# KiCad board woodpecker.kicad_pcb (continued)
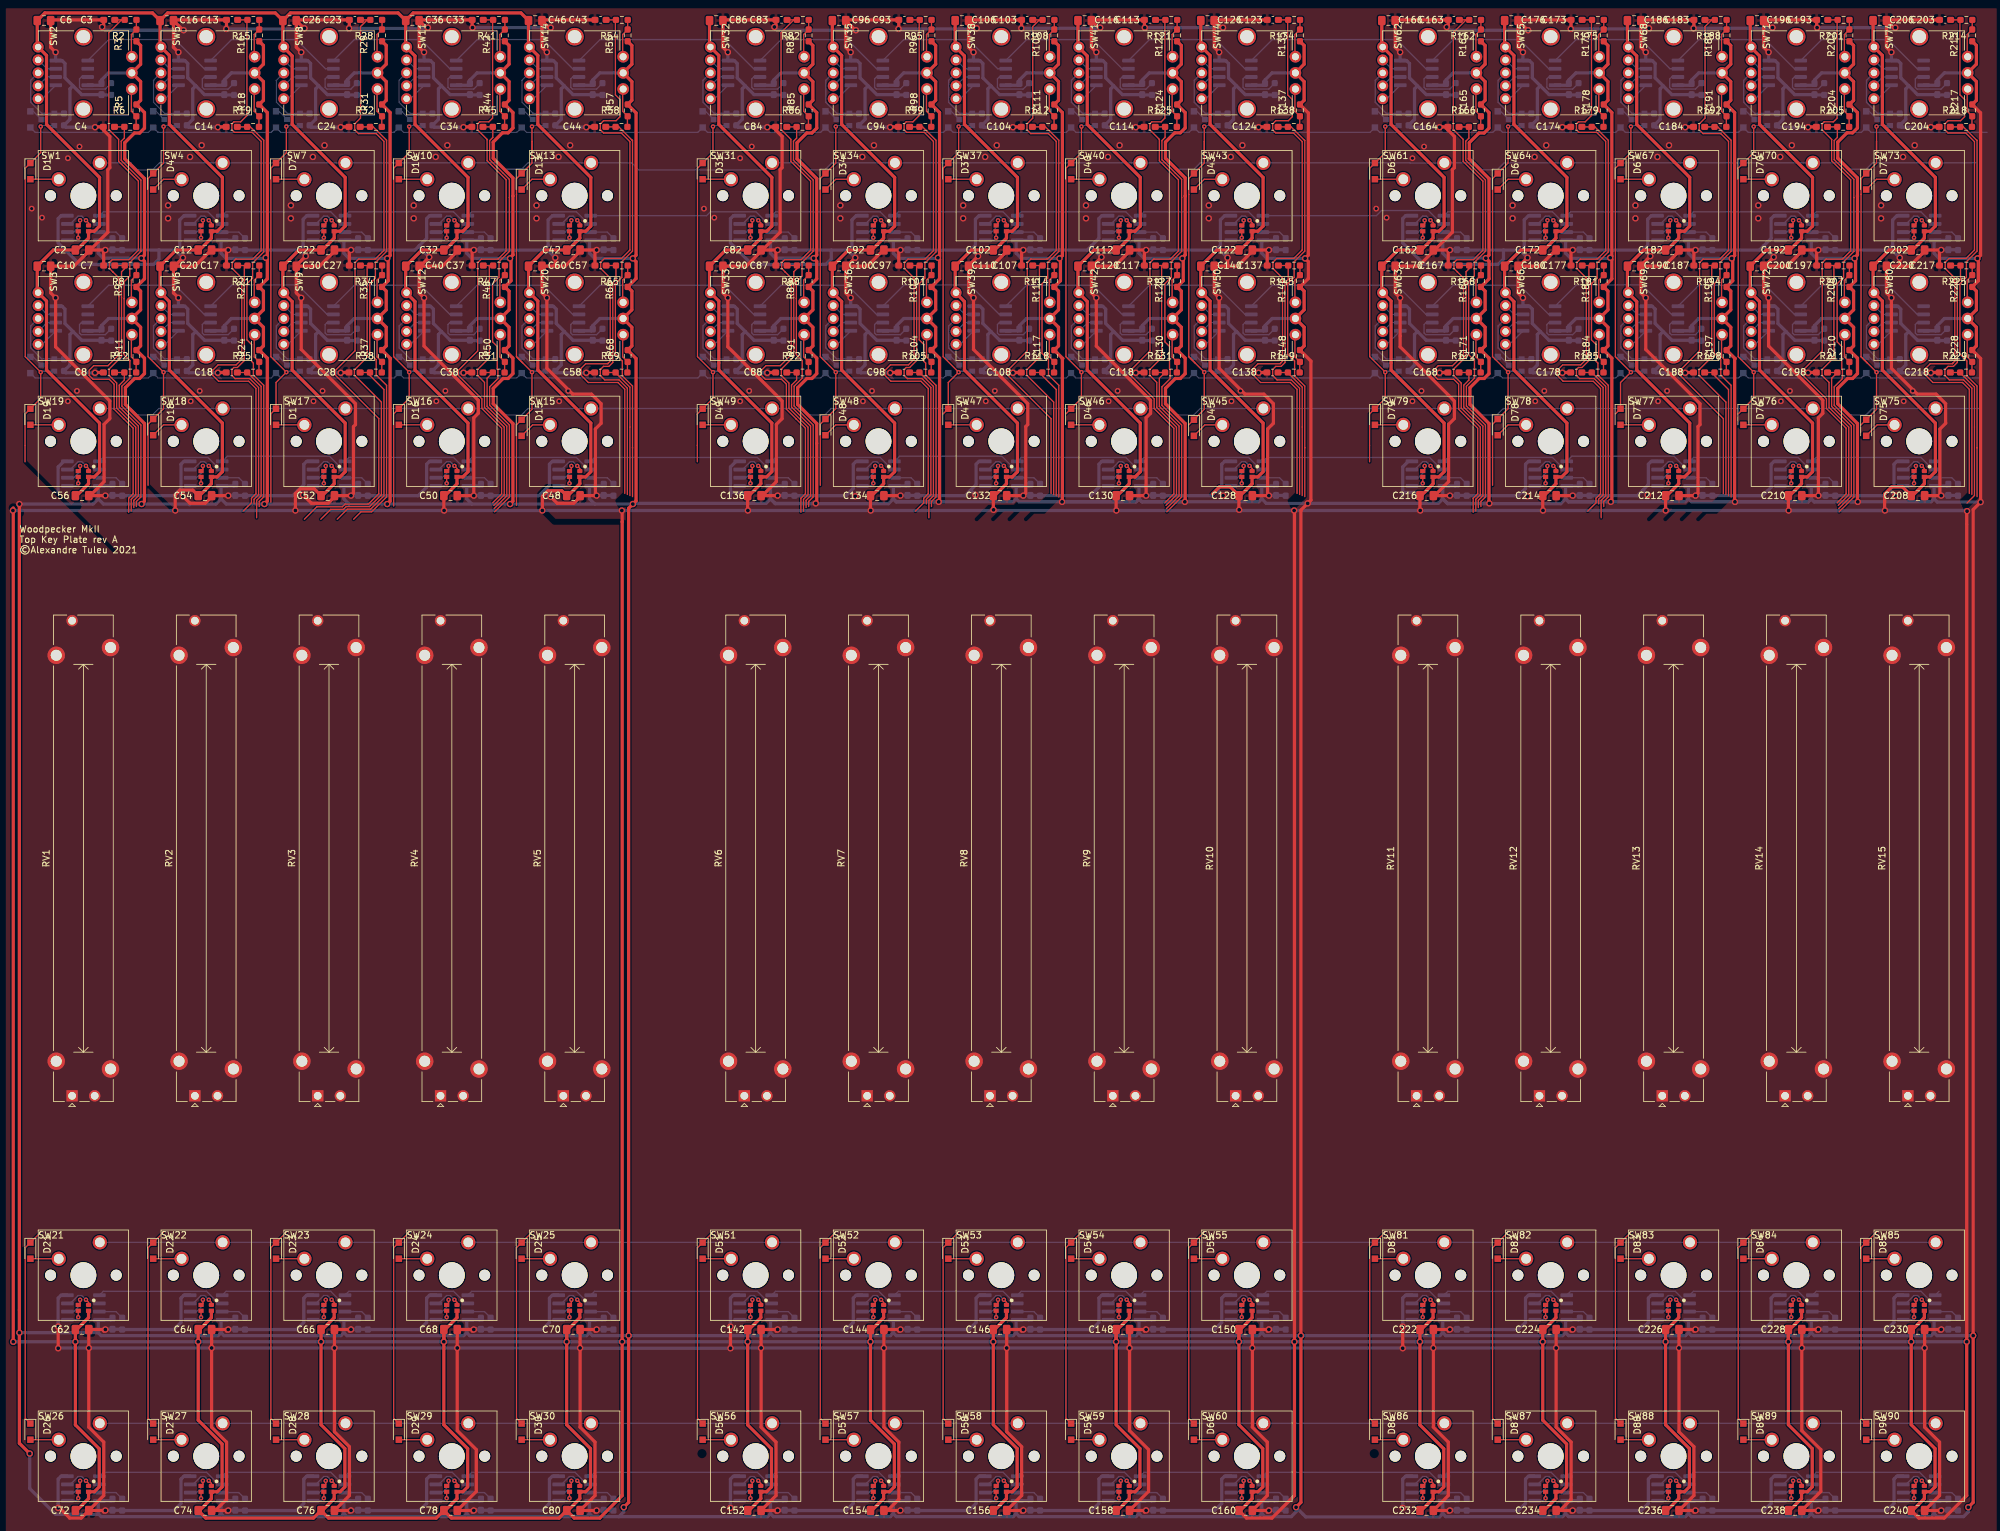
[diagram p0: board, top side]
## Routing (per net, layer and track width the routed paths; a pad name or vN(x,y) marks a point on that pad's centre or on a via; arc(x,y) is an arc through that point) (continued)
/TopSection_2/QB9: length 42.3
  Top w0.2: C117.1 R127.2 175.1,192.6 175,192.5 175,178.34 173.17,176.51 173.17,175.59 174.25,174.51 174.25,170.64 177.3,167.59 177.3,157.12 175.68,155.5
/TopSection_2/QB10: length 41.5
  Top w0.2: C137.1 R145.2 194.59,190.43 194.1,189.94 194.1,177.6 193.5,177 192.66,177 192.17,176.51 192.17,175.59 192.86,174.9 195.07,174.9 196.35,173.62 196.35,157.18
/TopSection_3/DI1: length 31.2
  Bottom w0.2: 216.88,223.03 215.9,223.03 211.38,227.55 192.12,227.55 188.88,224.31
/TopSection_3/DI2: length 29.2
  Bottom w0.2: U43.5 208.22,200.31 209.01,201.1 216.27,201.1 218.33,199.03 U61.6
/TopSection_3/DI3: length 31.2
  Bottom w0.2: 216.88,185.04 215.9,185.04 211.38,189.55 192.12,189.55 188.88,186.31
/TopSection_3/DI4: length 29
  Bottom w0.2: U45.5 191.28,162.91 216.46,162.91 218.33,161.04 U79.6
/TopSection_3/MX_2/DI: length 20
  Bottom w0.2: U61.5 219.28,200.91 235.46,200.91 237.33,199.03 U64.6
/TopSection_3/MX_3/DI: length 20
  Bottom w0.2: U64.5 238.28,200.91 254.46,200.91 256.33,199.03 U67.6
/TopSection_3/MX_4/DI: length 20
  Bottom w0.2: U67.5 257.28,200.91 273.46,200.91 275.33,199.03 U70.6
/TopSection_3/MX_5/DI: length 20
  Bottom w0.2: U70.5 276.28,200.91 292.46,200.91 294.33,199.03 U73.6
/TopSection_3/MX_7/DI: length 20
  Bottom w0.2: U79.5 219.28,162.91 235.46,162.91 237.33,161.04 U78.6
/TopSection_3/MX_8/DI: length 20.2
  Bottom w0.2: U77.6 256.33,161.04 254.27,163.1 238.47,163.1 U78.5
/TopSection_3/MX_9/DI: length 20
  Bottom w0.2: U77.5 257.28,162.91 273.46,162.91 275.33,161.04 U76.6
/TopSection_3/MX_10/DI: length 20
  Bottom w0.2: U76.5 276.28,162.91 292.46,162.91 294.33,161.04 U75.6
/TopSection_3/PEL12T_2/DI: length 22.2
  Bottom w0.2: 216.88,224.31 220.12,227.55 230.38,227.55 234.9,223.03 U65.6
/TopSection_3/PEL12T_3/DI: length 22.2
  Bottom w0.2: U65.5 239.12,227.55 249.13,227.55 253.65,223.03 U68.6
/TopSection_3/PEL12T_4/DI: length 22.2
  Bottom w0.2: U68.5 258.12,227.55 268.38,227.55 272.9,223.03 U71.6
/TopSection_3/PEL12T_5/DI: length 22.2
  Bottom w0.2: U71.5 277.12,227.55 287.38,227.55 291.9,223.03 U74.6
/TopSection_3/PEL12T_7/DI: length 22.2
  Bottom w0.2: 216.88,186.31 220.12,189.55 230.38,189.55 234.9,185.04 U66.6
/TopSection_3/PEL12T_8/DI: length 22.3
  Bottom w0.2: U66.5 239.17,189.6 249.33,189.6 253.9,185.04 U69.6
/TopSection_3/PEL12T_9/DI: length 22.2
  Bottom w0.2: U69.5 258.12,189.55 268.38,189.55 272.9,185.04 U72.6
/TopSection_3/PEL12T_10/DI: length 22.2
  Bottom w0.2: U72.5 277.12,189.55 287.38,189.55 291.9,185.04 U80.6
/TopSection_3/QA1: length 65.2
  Top w0.2: C164.1 R166.1 222.54,212.32 222.05,211.83 222.05,208.87 225.1,205.82 225.1,194.8 223.38,193.08 223.38,190.98 222.5,190.1 222.5,187.48 222.5,178.8 223.4,177.9 223.4,175.18 222.15,173.93 222.15,170.87 225.1,167.92 225.1,156.8 224.4,156.1 224.4,155.32
/TopSection_3/QA2: length 64
  Top w0.2: C174.1 R179.1 242.02,214.05 244.1,211.98 244.1,194.7 242.38,192.98 242.38,190.65 241.5,189.78 241.5,181.1 242.22,180.38 242.22,177.78 242.5,177.5 242.5,175.66 244.1,174.06 244.1,156.8 243.4,156.1 243.4,155.32
/TopSection_3/QA3: length 62.3
  Top w0.2: C184.1 R192.1 261.02,214.05 263.1,211.98 263.1,194.78 261.38,193.06 261.38,190.65 260.5,189.78 260.5,179.02 261.5,178.02 261.5,175.66 263.1,174.06 263.1,156.8
/TopSection_3/QA4: length 66.7
  Top w0.2: C194.1 R205.1 279.54,212.42 279.05,211.93 279.05,208.97 282.1,205.92 282.1,194.78 280.5,193.18 280.5,190.78 279.5,189.78 279.5,180.8 280.22,180.08 280.22,176.61 280.33,176.51 280.33,175.1 279.05,173.83 279.05,170.97 282.1,167.92 282.1,156.78 279.82,154.5
/TopSection_3/QA5: length 62.4
  Top w0.2: C204.1 R218.1 299.02,214.05 301.1,211.98 301.12,211.98 301.15,211.95 301.15,194.83 299.5,193.18 299.5,190.78 298.5,189.78 298.5,178.9 299.57,177.83 299.57,175.53 301.15,173.95 301.15,164.45 ; 301.15,164.45 301.15,164.35 ; 301.15,164.45 301.15,156.85
/TopSection_3/QA6: length 24.3
  Top w0.2: C168.1 R172.1 ; R172.1 222.55,176.05 ; R172.1 222.54,174.88 221.75,174.09 221.75,170.71 224.7,167.76 224.7,156.97 224,156.27 224,155.15
/TopSection_3/QA7: length 25.2
  Top w0.2: C178.1 R185.1 241.55,176.05 243.7,173.9 243.7,156.97 243,156.27 243,153.58
/TopSection_3/QA8: length 21.5
  Top w0.2: C188.1 R198.1 260.54,175.57 262.7,173.41 262.7,156.97
/TopSection_3/QA9: length 25
  Top w0.2: C198.1 R211.1 ; R211.1 279.55,176.05 ; R211.1 278.65,175.16 278.65,170.81 281.7,167.76 281.7,156.95 279.75,155
/TopSection_3/QA10: length 23.1
  Top w0.2: C218.1 R229.1 298.54,176 300.75,173.78 300.75,157.02 299.6,155.87
/TopSection_3/QB1: length 92.7
  Top w0.2: C163.1 R162.2 222.1,230.6 220.13,228.63 220.13,213.64 221.65,212.11 221.65,208.71 224.7,205.66 224.7,194.97 223.23,193.5 220.66,193.5 220.22,193.06 220.22,192.14 220.73,191.63 ; 220.73,191.63 220.76,191.6 ; 220.73,191.63 221.7,190.66 221.7,187.81 221.7,178.8 220,177.1 217.8,177.1 217.1,176.4 217.1,175.6 217.7,175 220.2,175 220.95,174.25 220.95,170.38 223.9,167.43 223.9,157.3 223.2,156.6 ; 223.2,156.6 223.2,156.6 ; 223.2,156.6 223.2,154.43
/TopSection_3/QB2: length 96.4
  Top w0.2: C173.1 R175.2 241.5,230.51 241.5,215.8 240.53,214.83 239.49,214.83 239.17,214.51 239.17,213.59 239.56,213.2 242.3,213.2 243.7,211.8 243.7,194.9 242.4,193.6 239.76,193.6 239.22,193.06 239.22,192.14 240.7,190.66 240.7,178.1 239.83,177.23 237.04,177.23 236.2,176.38 236.2,175.62 237.12,174.7 241.77,174.7 242.9,173.57 242.9,157.3 242.2,156.6 242.2,155.89 240.91,154.6
/TopSection_3/QB3: length 87
  Top w0.2: C183.1 R188.2 260.1,230.6 259.06,229.56 259.06,215.4 258.17,214.51 258.17,213.59 258.76,213 261.5,213 262.7,211.8 262.7,194.95 261.35,193.6 258.76,193.6 258.22,193.06 258.22,179.41 255.2,176.38 255.2,175.62 261.9,168.92 261.9,157.3
/TopSection_3/QB4: length 87.8
  Top w0.2: C193.1 R201.2 279.5,230.51 279.5,215.4 278.93,214.83 277.49,214.83 277.17,214.51 277.17,213.59 278.66,212.1 278.65,212.09 278.65,208.81 281.6,205.86 281.6,194.85 280.35,193.6 277.76,193.6 277.2,193.04 277.2,179.38 274.2,176.38 274.2,175.62 277.85,171.97 277.85,170.48 280.9,167.43 280.9,157.28 279.52,155.9
/TopSection_3/QB5: length 94.4
  Top w0.2: C203.1 R214.2 298.5,230.51 298.5,219 299.22,218.28 299.22,215.62 298.6,215 296.66,215 296.17,214.51 296.17,213.59 296.66,213.1 299.41,213.1 300.75,211.76 300.75,195 299.45,193.7 296.81,193.7 296.22,193.11 296.22,192.14 297.7,190.66 297.7,177.8 297.4,177.5 297.4,177.47 297.33,177.4 293.9,177.4 293.2,176.7 293.2,175.62 294.32,174.5 298.9,174.5 298.9,174.5 299.95,173.45 299.95,157.35
/TopSection_3/QB6: length 42.5
  Top w0.2: C167.1 R168.2 222.59,192.12 222.1,191.64 222.1,187.64 222.1,178.5 220.17,176.57 220.17,175.59 221.35,174.41 221.35,170.54 224.3,167.59 224.3,157.13 223.6,156.43 223.6,154.6
/TopSection_3/QB7: length 43.3
  Top w0.2: C177.1 R181.2 241.1,192.6 241.1,177.9 240.03,176.83 239.49,176.83 239.17,176.51 239.17,175.59 239.66,175.1 241.93,175.1 243.3,173.73 243.3,157.13 242.6,156.43 242.6,155.72
/TopSection_3/QB8: length 40
  Top w0.2: C187.1 R194.2 260.1,192.6 260.1,178.44 258.13,176.46 258.13,175.64 262.3,171.46 262.3,157.13
/TopSection_3/QB9: length 42.3
  Top w0.2: C197.1 R207.2 279.1,192.6 279,192.5 279,178.34 277.17,176.51 277.17,175.59 278.25,174.51 278.25,170.64 281.3,167.59 281.3,157.12 279.68,155.5
/TopSection_3/QB10: length 41.5
  Top w0.2: C217.1 R225.2 298.59,190.43 298.1,189.94 298.1,177.6 297.5,177 296.66,177 296.17,176.51 296.17,175.59 296.86,174.9 299.07,174.9 300.35,173.62 300.35,157.18
VLED: length 3335.9
  Top w0.5: C26.1 40.24,231.68 56.89,231.68 C36.1 ; C26.1 37.89,231.68 21.24,231.68 C16.1 ; C26.1 39.06,226.54 SW8.5 39.2,226.32 40.5,225.02 40.5,214.43 48.7,206.23 48.7,198.7 47.9,197.9 SW7.3 47,196.84 45.16,195 41.56,195 C30.1 39.06,188.54 SW9.5 39.2,188.32 40.5,187.02 40.5,176.43 48.7,168.23 48.7,160.7 47.9,159.9 SW17.3 47,158.84 45.16,157 ; 26.16,157 28,158.84 SW18.3 28.9,159.9 29.7,160.7 29.7,168.23 21.5,176.43 21.5,187.02 20.2,188.32 SW6.5 20.06,188.54 C20.1 22.56,195 26.16,195 28,196.84 SW4.3 28.9,197.9 29.7,198.7 29.7,206.23 21.5,214.43 21.5,225.1 SW5.5 20.06,226.54 C16.1 ; C36.1 58.06,226.54 SW11.5 58.2,226.32 59.5,225.02 59.5,214.43 67.7,206.23 67.7,198.7 66.9,197.9 SW10.3 66,196.84 64.16,195 60.56,195 C40.1 58.06,188.54 SW12.5 58.2,188.32 59.5,187.02 59.5,176.43 67.7,168.23 67.7,160.7 66.9,159.9 SW16.3 66,158.84 64.16,157 ; C36.1 59.24,231.68 75.89,231.68 C46.1 77.06,226.54 SW14.5 78.5,225.1 78.5,214.43 86.7,206.23 86.7,198.7 85.9,197.9 SW13.3 85,196.84 83.16,195 79.56,195 C60.1 77.06,188.54 SW20.5 78.5,187.1 78.5,176.43 86.7,168.23 86.7,160.7 85.9,159.9 SW15.3 85,158.84 83.16,157 ; C16.1 18.89,231.68 2.24,231.68 C6.1 1.06,226.54 SW2.5 2.5,225.1 2.5,214.43 10.7,206.23 10.7,198.7 9.9,197.9 SW1.3 9,196.84 7.16,195 3.56,195 C10.1 1.06,188.54 SW3.5 2.5,187.1 2.5,176.43 10.7,168.23 10.7,160.7 9.9,159.9 SW19.3 9,158.84 7.16,157 7.2,156.96 ; 7.16,28 9,29.84 SW21.3 ; 83.16,0 85,1.84 SW30.3 85.9,2.9 86.65,3.65 86.65,9.58 82.96,13.26 C70.1 v1(82.96,26.1) ; 26.16,28 28,29.84 SW22.3 ; 45.16,28 47,29.84 SW23.3 ; 64.16,28 66,29.84 SW24.3 ; 83.16,28 85,29.84 SW25.3 ; 7.16,0 9,1.84 SW26.3 9.9,2.9 10.65,3.65 10.65,9.55 6.96,13.24 C62.1 ; 26.16,0 28,1.84 SW27.3 28.9,2.9 29.65,3.65 29.65,10.29 25.96,13.97 C64.1 ; 45.16,0 47,1.84 SW28.3 47.9,2.9 48.65,3.65 48.65,9.58 44.96,13.26 C66.1 ; 64.16,0 66,1.84 SW29.3 66.9,2.9 67.65,3.65 67.65,9.58 63.96,13.26 C68.1 v1(63.96,26.1) ; 111.16,28 113,29.84 SW51.3 ; 187.16,0 189,1.84 SW60.3 189.9,2.9 190.65,3.65 190.65,9.58 186.96,13.26 C150.1 v1(186.96,26.1) ; 130.16,28 132,29.84 SW52.3 ; 149.16,28 151,29.84 SW53.3 ; 168.16,28 170,29.84 SW54.3 ; 187.16,28 189,29.84 SW55.3 ; 111.16,0 113,1.84 SW56.3 113.9,2.9 114.65,3.65 114.65,9.55 110.96,13.24 C142.1 ; 130.16,0 132,1.84 SW57.3 132.9,2.9 133.65,3.65 133.65,10.29 129.96,13.97 C144.1 ; 149.16,0 151,1.84 SW58.3 151.9,2.9 152.65,3.65 152.65,9.58 148.96,13.26 C146.1 ; 168.16,0 170,1.84 SW59.3 170.9,2.9 171.65,3.65 171.65,9.58 167.96,13.26 C148.1 v1(167.96,26.1) ; 215.16,28 217,29.84 SW81.3 ; 291.16,0 293,1.84 SW90.3 293.9,2.9 294.65,3.65 294.65,9.58 290.96,13.26 C230.1 v1(290.96,26.1) ; 234.16,28 236,29.84 SW82.3 ; 253.16,28 255,29.84 SW83.3 ; 272.16,28 274,29.84 SW84.3 ; 291.16,28 293,29.84 SW85.3 ; 215.16,0 217,1.84 SW86.3 217.9,2.9 218.65,3.65 218.65,9.55 214.96,13.24 C222.1 ; 234.16,0 236,1.84 SW87.3 236.9,2.9 237.65,3.65 237.65,10.29 233.96,13.97 C224.1 ; 253.16,0 255,1.84 SW88.3 255.9,2.9 256.65,3.65 256.65,9.58 252.96,13.26 C226.1 ; 272.16,0 274,1.84 SW89.3 274.9,2.9 275.65,3.65 275.65,9.58 271.96,13.26 C228.1 v1(271.96,26.1) ; C86.1 105.06,226.54 SW32.5 106.5,225.1 106.5,214.43 114.7,206.23 114.7,198.7 113.9,197.9 SW31.3 113,196.84 111.16,195 107.56,195 C90.1 105.06,188.54 SW33.5 106.5,187.1 106.5,176.43 114.7,168.23 114.7,160.7 113.9,159.9 SW49.3 113,158.84 111.16,157 111.2,156.96 ; C96.1 124.06,226.54 SW35.5 125.5,225.1 125.5,214.43 133.7,206.23 133.7,198.7 132.9,197.9 SW34.3 132,196.84 130.16,195 126.56,195 C100.1 124.06,188.54 SW36.5 124.2,188.32 125.5,187.02 125.5,176.43 133.7,168.23 133.7,160.7 132.9,159.9 SW48.3 132,158.84 130.16,157 ; C106.1 143.06,226.54 SW38.5 143.2,226.32 144.5,225.02 144.5,214.43 152.7,206.23 152.7,198.7 151.9,197.9 SW37.3 151,196.84 149.16,195 145.56,195 C110.1 143.06,188.54 SW39.5 143.2,188.32 144.5,187.02 144.5,176.43 152.7,168.23 152.7,160.7 151.9,159.9 SW47.3 151,158.84 149.16,157 ; C116.1 162.06,226.54 SW41.5 162.2,226.32 163.5,225.02 163.5,214.43 171.7,206.23 171.7,198.7 170.9,197.9 SW40.3 170,196.84 168.16,195 164.56,195 C120.1 162.06,188.54 SW42.5 162.2,188.32 163.5,187.02 163.5,176.43 171.7,168.23 171.7,160.7 170.9,159.9 SW46.3 170,158.84 168.16,157 ; C126.1 181.06,226.54 SW44.5 182.5,225.1 182.5,214.43 190.7,206.23 190.7,198.7 189.9,197.9 SW43.3 189,196.84 187.16,195 183.56,195 C140.1 181.06,188.54 SW50.5 182.5,187.1 182.5,176.43 190.7,168.23 190.7,160.7 189.9,159.9 SW45.3 189,158.84 187.16,157 ; 182.85,157.25 183.95,158.35 185.61,158.35 C128.1 186.96,154.84 v1(187,154.8) ; C166.1 209.06,226.54 SW62.5 210.5,225.1 210.5,214.43 218.7,206.23 218.7,198.7 217.9,197.9 SW61.3 217,196.84 215.16,195 211.56,195 C170.1 209.06,188.54 SW63.5 210.5,187.1 210.5,176.43 218.7,168.23 218.7,160.7 217.9,159.9 SW79.3 217,158.84 215.16,157 215.2,156.96 ; C176.1 228.06,226.54 SW65.5 229.5,225.1 229.5,214.43 237.7,206.23 237.7,198.7 236.9,197.9 SW64.3 236,196.84 234.16,195 230.56,195 C180.1 228.06,188.54 SW66.5 228.2,188.32 229.5,187.02 229.5,176.43 237.7,168.23 237.7,160.7 236.9,159.9 SW78.3 236,158.84 234.16,157 ; C186.1 247.06,226.54 SW68.5 247.2,226.32 248.5,225.02 248.5,214.43 256.7,206.23 256.7,198.7 255.9,197.9 SW67.3 255,196.84 253.16,195 249.56,195 C190.1 247.06,188.54 SW69.5 247.2,188.32 248.5,187.02 248.5,176.43 256.7,168.23 256.7,160.7 255.9,159.9 SW77.3 255,158.84 253.16,157 ; C196.1 266.06,226.54 SW71.5 266.2,226.32 267.5,225.02 267.5,214.43 275.7,206.23 275.7,198.7 274.9,197.9 SW70.3 274,196.84 272.16,195 268.56,195 C200.1 266.06,188.54 SW72.5 266.2,188.32 267.5,187.02 267.5,176.43 275.7,168.23 275.7,160.7 274.9,159.9 SW76.3 274,158.84 272.16,157 ; C206.1 285.06,226.54 SW74.5 286.5,225.1 286.5,214.43 294.7,206.23 294.7,198.7 293.9,197.9 SW73.3 293,196.84 291.16,195 287.56,195 C220.1 285.06,188.54 SW80.5 286.5,187.1 286.5,176.43 294.7,168.23 294.7,160.7 293.9,159.9 SW75.3 293,158.84 291.16,157 ; C208.1 289.61,158.35 287.95,158.35 286.85,157.25 286.85,154.75 v1(286.9,154.7) ; v1(79.2,154.7) 79.2,156.91 80.04,157.75 82.21,157.75 C48.1 ; v1(91.5,154.7) 91.55,154.65 v1(91.55,26.1) 91.55,2.3 88.07,-1.18 84.14,-1.18 C80.1 81.79,-1.18 65.14,-1.18 C78.1 62.79,-1.18 46.14,-1.18 C76.1 43.79,-1.18 27.14,-1.18 C74.1 ; v1(195.5,154.7) 195.55,154.65 v1(195.55,26.1) 195.55,2.3 192.07,-1.18 188.14,-1.18 C160.1 ; C214.1 233.96,154.74 v1(234,154.7) ; C240.1 292.14,-1.18 296.07,-1.18 299.55,2.3 v1(299.55,26.1) 299.55,154.55 v1(299.6,154.6) ; v1(168,154.7) 167.96,154.74 C130.1 ; C132.1 148.96,154.84 v1(149,154.8) ; C54.1 25.11,157.85 23.14,157.85 22.4,157.11 v1(22.4,154.7) ; C210.1 271.96,154.74 v1(272,154.7) ; v1(-2.7,154.7) -2.65,154.65 -2.65,26.25 ; v1(111,154.7) 110.96,154.74 C136.1 ; C52.1 43.91,158.05 41.74,158.05 41,157.31 v1(41,154.7) ; C216.1 214.96,154.74 v1(215,154.7) ; C212.1 252.96,154.74 v1(253,154.7) ; C50.1 63.96,154.74 v1(64,154.7) ; C134.1 129.96,154.74 v1(130,154.7)
  Bottom w0.5: v1(299.55,26.1) v1(290.96,26.1) v1(271.96,26.1) v1(252.96,26.1) v1(233.96,26.1) v1(214.96,26.1) 214.26,26.1 v1(195.55,26.1) v1(186.96,26.1) v1(167.96,26.1) v1(148.96,26.1) v1(129.96,26.1) v1(110.96,26.1) 110.26,26.1 v1(91.55,26.1) v1(82.96,26.1) v1(63.96,26.1) v1(44.96,26.1) v1(25.96,26.1) v1(6.96,26.1) v1(-2.65,26.1) ; 299.5,154.7 v1(91.5,154.7) v1(-2.7,154.7) ; 299.5,154.7 v1(286.9,154.7) v1(272,154.7) ; 299.5,154.7 v1(299.6,154.6)
Net-(D1-Pad2): length 4.4
  Top w0.2: SW1.6 4.38,205.95 D1.2
Net-(D2-Pad1): length 2.2
  Bottom w0.2: Q1.3 0.45,216.45 D2.1
Net-(D3-Pad1): length 2.2
  Bottom w0.2: D3.1 0.45,178.45 Q2.3
Net-(D4-Pad2): length 5
  Top w0.2: D4.2 20.59,205.94 SW4.6
Net-(D5-Pad1): length 2.2
  Bottom w0.2: D5.1 19.45,216.45 Q3.3
Net-(D6-Pad1): length 2.2
  Bottom w0.2: D6.1 19.45,178.45 Q4.3
Net-(D7-Pad2): length 4.4
  Top w0.2: SW7.6 42.38,205.95 D7.2
Net-(D8-Pad1): length 2.2
  Bottom w0.2: Q5.3 38.45,216.45 D8.1
Net-(D9-Pad1): length 2.2
  Bottom w0.2: D9.1 38.45,178.45 Q6.3
Net-(D10-Pad2): length 4.4
  Top w0.2: D10.2 61.38,205.95 SW10.6
Net-(D11-Pad1): length 2.2
  Bottom w0.2: Q7.3 57.45,216.45 D11.1
Net-(D12-Pad1): length 2.2
  Bottom w0.2: Q8.3 57.45,178.45 D12.1
Net-(D13-Pad2): length 5
  Top w0.2: SW13.6 77.59,205.94 D13.2
Net-(D14-Pad1): length 2.2
  Bottom w0.2: D14.1 76.45,216.45 Q9.3
Net-(D15-Pad2): length 5.1
  Top w0.2: D15.2 77.69,167.94 SW15.6 80.38,167.95
Net-(D16-Pad2): length 4.4
  Top w0.2: D16.2 61.38,167.95 SW16.6
Net-(D17-Pad2): length 4.4
  Top w0.2: SW17.6 42.38,167.95 D17.2
Net-(D18-Pad2): length 5.1
  Top w0.2: 23.38,167.95 SW18.6 20.59,167.94 D18.2
Net-(D19-Pad2): length 4.4
  Top w0.2: D19.2 4.38,167.95 SW19.6
Net-(D20-Pad1): length 2.2
  Bottom w0.2: D20.1 76.45,178.45 Q10.3
Net-(D21-Pad2): length 4.4
  Top w0.2: SW21.6 4.38,38.95 D21.2
Net-(D22-Pad2): length 4.4
  Top w0.2: SW22.6 23.38,38.95 D22.2
Net-(D23-Pad2): length 4.4
  Top w0.2: SW23.6 42.38,38.95 D23.2
Net-(D24-Pad2): length 4.4
  Top w0.2: SW24.6 61.38,38.95 D24.2
Net-(D25-Pad2): length 4.4
  Top w0.2: SW25.6 80.38,38.95 D25.2
Net-(D26-Pad2): length 4.4
  Top w0.2: SW26.6 4.38,10.95 D26.2
Net-(D27-Pad2): length 4.4
  Top w0.2: SW27.6 23.38,10.95 D27.2
Net-(D28-Pad2): length 4.4
  Top w0.2: SW28.6 42.38,10.95 D28.2
Net-(D29-Pad2): length 4.4
  Top w0.2: SW29.6 61.38,10.95 D29.2
Net-(D30-Pad2): length 4.4
  Top w0.2: SW30.6 80.38,10.95 D30.2
Net-(D31-Pad2): length 4.4
  Top w0.2: SW31.6 108.38,205.95 D31.2
Net-(D32-Pad1): length 2.2
  Bottom w0.2: Q11.3 104.45,216.45 D32.1
Net-(D33-Pad1): length 2.2
  Bottom w0.2: Q12.3 104.45,178.45 D33.1
Net-(D34-Pad2): length 5
  Top w0.2: D34.2 124.59,205.94 SW34.6
Net-(D35-Pad1): length 2.2
  Bottom w0.2: Q13.3 123.45,216.45 D35.1
Net-(D36-Pad1): length 2.2
  Bottom w0.2: Q14.3 123.45,178.45 D36.1
Net-(D37-Pad2): length 4.4
  Top w0.2: SW37.6 146.38,205.95 D37.2
Net-(D38-Pad1): length 2.2
  Bottom w0.2: Q15.3 142.45,216.45 D38.1
Net-(D39-Pad1): length 2.2
  Bottom w0.2: Q16.3 142.45,178.45 D39.1
Net-(D40-Pad2): length 4.4
  Top w0.2: SW40.6 165.38,205.95 D40.2
Net-(D41-Pad1): length 2.2
  Bottom w0.2: Q17.3 161.45,216.45 D41.1
Net-(D42-Pad1): length 2.2
  Bottom w0.2: Q18.3 161.45,178.45 D42.1
Net-(D43-Pad2): length 5
  Top w0.2: D43.2 181.59,205.94 SW43.6
Net-(D44-Pad1): length 2.2
  Bottom w0.2: Q19.3 180.45,216.45 D44.1
Net-(D45-Pad2): length 5.1
  Top w0.2: 184.38,167.95 SW45.6 181.69,167.94 D45.2
Net-(D46-Pad2): length 4.4
  Top w0.2: SW46.6 165.38,167.95 D46.2
Net-(D47-Pad2): length 4.4
  Top w0.2: SW47.6 146.38,167.95 D47.2
Net-(D48-Pad2): length 5.1
  Top w0.2: 127.38,167.95 SW48.6 124.59,167.94 D48.2
Net-(D49-Pad2): length 4.4
  Top w0.2: SW49.6 108.38,167.95 D49.2
Net-(D50-Pad1): length 2.2
  Bottom w0.2: Q20.3 180.45,178.45 D50.1
Net-(D51-Pad2): length 4.4
  Top w0.2: SW51.6 108.38,38.95 D51.2
Net-(D52-Pad2): length 4.4
  Top w0.2: SW52.6 127.38,38.95 D52.2
Net-(D53-Pad2): length 4.4
  Top w0.2: SW53.6 146.38,38.95 D53.2
Net-(D54-Pad2): length 4.4
  Top w0.2: SW54.6 165.38,38.95 D54.2
Net-(D55-Pad2): length 4.4
  Top w0.2: SW55.6 184.38,38.95 D55.2
Net-(D56-Pad2): length 4.4
  Top w0.2: SW56.6 108.38,10.95 D56.2
Net-(D57-Pad2): length 4.4
  Top w0.2: SW57.6 127.38,10.95 D57.2
Net-(D58-Pad2): length 4.4
  Top w0.2: SW58.6 146.38,10.95 D58.2
Net-(D59-Pad2): length 4.4
  Top w0.2: SW59.6 165.38,10.95 D59.2
Net-(D60-Pad2): length 4.4
  Top w0.2: SW60.6 184.38,10.95 D60.2
Net-(D61-Pad2): length 4.4
  Top w0.2: SW61.6 212.38,205.95 D61.2
Net-(D62-Pad1): length 2.2
  Bottom w0.2: Q21.3 208.45,216.45 D62.1
Net-(D63-Pad1): length 2.2
  Bottom w0.2: Q22.3 208.45,178.45 D63.1
Net-(D64-Pad2): length 5
  Top w0.2: D64.2 228.59,205.94 SW64.6
Net-(D65-Pad1): length 2.2
  Bottom w0.2: Q23.3 227.45,216.45 D65.1
Net-(D66-Pad1): length 2.2
  Bottom w0.2: Q24.3 227.45,178.45 D66.1
Net-(D67-Pad2): length 4.4
  Top w0.2: SW67.6 250.38,205.95 D67.2
Net-(D68-Pad1): length 2.2
  Bottom w0.2: Q25.3 246.45,216.45 D68.1
Net-(D69-Pad1): length 2.2
  Bottom w0.2: Q26.3 246.45,178.45 D69.1
Net-(D70-Pad2): length 4.4
  Top w0.2: SW70.6 269.38,205.95 D70.2
Net-(D71-Pad1): length 2.2
  Bottom w0.2: Q27.3 265.45,216.45 D71.1
Net-(D72-Pad1): length 2.2
  Bottom w0.2: Q28.3 265.45,178.45 D72.1
Net-(D73-Pad2): length 5
  Top w0.2: D73.2 285.59,205.94 SW73.6
Net-(D74-Pad1): length 2.2
  Bottom w0.2: Q29.3 284.45,216.45 D74.1
Net-(D75-Pad2): length 5.1
  Top w0.2: 288.38,167.95 SW75.6 285.69,167.94 D75.2
Net-(D76-Pad2): length 4.4
  Top w0.2: SW76.6 269.38,167.95 D76.2
Net-(D77-Pad2): length 4.4
  Top w0.2: SW77.6 250.38,167.95 D77.2
Net-(D78-Pad2): length 5.1
  Top w0.2: 231.38,167.95 SW78.6 228.59,167.94 D78.2
Net-(D79-Pad2): length 4.4
  Top w0.2: SW79.6 212.38,167.95 D79.2
Net-(D80-Pad1): length 2.2
  Bottom w0.2: Q30.3 284.45,178.45 D80.1
Net-(D81-Pad2): length 4.4
  Top w0.2: SW81.6 212.38,38.95 D81.2
Net-(D82-Pad2): length 4.4
  Top w0.2: SW82.6 231.38,38.95 D82.2
Net-(D83-Pad2): length 4.4
  Top w0.2: SW83.6 250.38,38.95 D83.2
Net-(D84-Pad2): length 4.4
  Top w0.2: SW84.6 269.38,38.95 D84.2
Net-(D85-Pad2): length 4.4
  Top w0.2: SW85.6 288.38,38.95 D85.2
Net-(D86-Pad2): length 4.4
  Top w0.2: SW86.6 212.38,10.95 D86.2
Net-(D87-Pad2): length 4.4
  Top w0.2: SW87.6 231.38,10.95 D87.2
Net-(D88-Pad2): length 4.4
  Top w0.2: SW88.6 250.38,10.95 D88.2
Net-(D89-Pad2): length 4.4
  Top w0.2: SW89.6 269.38,10.95 D89.2
Net-(D90-Pad2): length 4.4
  Top w0.2: SW90.6 288.38,10.95 D90.2
Net-(Q1-Pad1): length 10.9
  Bottom w0.2: R7.1 5.16,216.15 Q1.1 1.75,216.15 0.05,217.85 0.05,221.25 SW2.3
Net-(Q2-Pad1): length 10.9
  Bottom w0.2: R13.1 5.16,178.15 Q2.1 1.75,178.15 0.05,179.85 0.05,183.25 SW3.3
Net-(Q3-Pad1): length 10.9
  Bottom w0.2: R20.1 24.16,216.15 Q3.1 20.75,216.15 19.05,217.85 19.05,221.25 SW5.3
Net-(Q4-Pad1): length 10.9
  Bottom w0.2: SW6.3 19.05,183.25 19.05,179.85 20.75,178.15 Q4.1 24.16,178.15 R26.1
Net-(Q5-Pad1): length 10.9
  Bottom w0.2: SW8.3 38.05,221.25 38.05,217.85 39.75,216.15 Q5.1 43.16,216.15 R33.1
Net-(Q6-Pad1): length 10.9
  Bottom w0.2: SW9.3 38.05,183.25 38.05,179.85 39.75,178.15 Q6.1 43.16,178.15 R39.1
Net-(Q7-Pad1): length 10.9
  Bottom w0.2: SW11.3 57.05,221.25 57.05,217.85 58.75,216.15 Q7.1 62.16,216.15 R46.1
Net-(Q8-Pad1): length 10.9
  Bottom w0.2: R52.1 62.16,178.15 Q8.1 58.75,178.15 57.05,179.85 57.05,183.25 SW12.3
Net-(Q9-Pad1): length 10.9
  Bottom w0.2: SW14.3 76.05,221.25 76.05,217.85 77.75,216.15 Q9.1 81.16,216.15 R59.1
Net-(Q10-Pad1): length 10.9
  Bottom w0.2: SW20.3 76.05,183.25 76.05,179.85 77.75,178.15 Q10.1 81.16,178.15 R70.1
Net-(Q11-Pad1): length 10.9
  Bottom w0.2: R87.1 109.16,216.15 Q11.1 105.75,216.15 104.05,217.85 104.05,221.25 SW32.3
Net-(Q12-Pad1): length 10.9
  Bottom w0.2: R93.1 109.16,178.15 Q12.1 105.75,178.15 104.05,179.85 104.05,183.25 SW33.3
Net-(Q13-Pad1): length 10.9
  Bottom w0.2: R100.1 128.16,216.15 Q13.1 124.75,216.15 123.05,217.85 123.05,221.25 SW35.3
Net-(Q14-Pad1): length 10.9
  Bottom w0.2: R106.1 128.16,178.15 Q14.1 124.75,178.15 123.05,179.85 123.05,183.25 SW36.3
Net-(Q15-Pad1): length 10.9
  Bottom w0.2: R113.1 147.16,216.15 Q15.1 143.75,216.15 142.05,217.85 142.05,221.25 SW38.3
Net-(Q16-Pad1): length 10.9
  Bottom w0.2: R119.1 147.16,178.15 Q16.1 143.75,178.15 142.05,179.85 142.05,183.25 SW39.3
Net-(Q17-Pad1): length 10.9
  Bottom w0.2: R126.1 166.16,216.15 Q17.1 162.75,216.15 161.05,217.85 161.05,221.25 SW41.3
Net-(Q18-Pad1): length 10.9
  Bottom w0.2: R132.1 166.16,178.15 Q18.1 162.75,178.15 161.05,179.85 161.05,183.25 SW42.3
Net-(Q19-Pad1): length 10.9
  Bottom w0.2: R139.1 185.16,216.15 Q19.1 181.75,216.15 180.05,217.85 180.05,221.25 SW44.3
Net-(Q20-Pad1): length 10.9
  Bottom w0.2: R150.1 185.16,178.15 Q20.1 181.75,178.15 180.05,179.85 180.05,183.25 SW50.3
Net-(Q21-Pad1): length 10.9
  Bottom w0.2: R167.1 213.16,216.15 Q21.1 209.75,216.15 208.05,217.85 208.05,221.25 SW62.3
Net-(Q22-Pad1): length 10.9
  Bottom w0.2: R173.1 213.16,178.15 Q22.1 209.75,178.15 208.05,179.85 208.05,183.25 SW63.3
Net-(Q23-Pad1): length 10.9
  Bottom w0.2: R180.1 232.16,216.15 Q23.1 228.75,216.15 227.05,217.85 227.05,221.25 SW65.3
Net-(Q24-Pad1): length 10.9
  Bottom w0.2: R186.1 232.16,178.15 Q24.1 228.75,178.15 227.05,179.85 227.05,183.25 SW66.3
Net-(Q25-Pad1): length 10.9
  Bottom w0.2: R193.1 251.16,216.15 Q25.1 247.75,216.15 246.05,217.85 246.05,221.25 SW68.3
Net-(Q26-Pad1): length 10.9
  Bottom w0.2: R199.1 251.16,178.15 Q26.1 247.75,178.15 246.05,179.85 246.05,183.25 SW69.3
Net-(Q27-Pad1): length 10.9
  Bottom w0.2: R206.1 270.16,216.15 Q27.1 266.75,216.15 265.05,217.85 265.05,221.25 SW71.3
Net-(Q28-Pad1): length 10.9
  Bottom w0.2: R212.1 270.16,178.15 Q28.1 266.75,178.15 265.05,179.85 265.05,183.25 SW72.3
Net-(Q29-Pad1): length 10.9
  Bottom w0.2: R219.1 289.16,216.15 Q29.1 285.75,216.15 284.05,217.85 284.05,221.25 SW74.3
Net-(Q30-Pad1): length 10.9
  Bottom w0.2: R230.1 289.16,178.15 Q30.1 285.75,178.15 284.05,179.85 284.05,183.25 SW80.3
Net-(R1-Pad1): length 3.9
  Bottom w0.2: U1.7 13.25,197.77 R1.1
Net-(R2-Pad1): length 6.1
  Top w0.2: R2.1 16.4,230.59 R3.2 15.62,228.34 15.62,224.98 SW2.B
Net-(R4-Pad1): length 8.1
  Bottom w0.2: U2.7 7.9,221.77 7.6,221.46 7.6,220.16 7.86,219.89 11.58,219.89 R4.1
Net-(R5-Pad2): length 6.2
  Top w0.2: R6.2 16.36,215.65 R5.2 15.62,216.46 15.62,219.82 SW2.A
Net-(R8-Pad1): length 6.1
  Top w0.2: SW3.B 15.62,186.98 15.62,190.34 R9.2 16.4,192.59 R8.1
Net-(R10-Pad1): length 8.1
  Bottom w0.2: U3.7 7.9,183.76 7.6,183.46 7.6,182.16 7.86,181.89 11.58,181.89 R10.1
Net-(R11-Pad2): length 6.2
  Top w0.2: SW3.A 15.62,181.82 15.62,178.46 R11.2 16.36,177.65 R12.2